# Altium PCB tester_board.PcbDoc (part 3 of 4)
Units mil, origin at the board's own origin, x right, y up, seen from the top; angles counter-clockwise.
Board outline 5000 x 4000 mil, 4 copper layers (Top Layer, Signal Layer 1, Signal Layer 2, Bottom Layer), stack 30.634 mil thick; 418 components, 246 nets, 1388 pads, 667 vias.
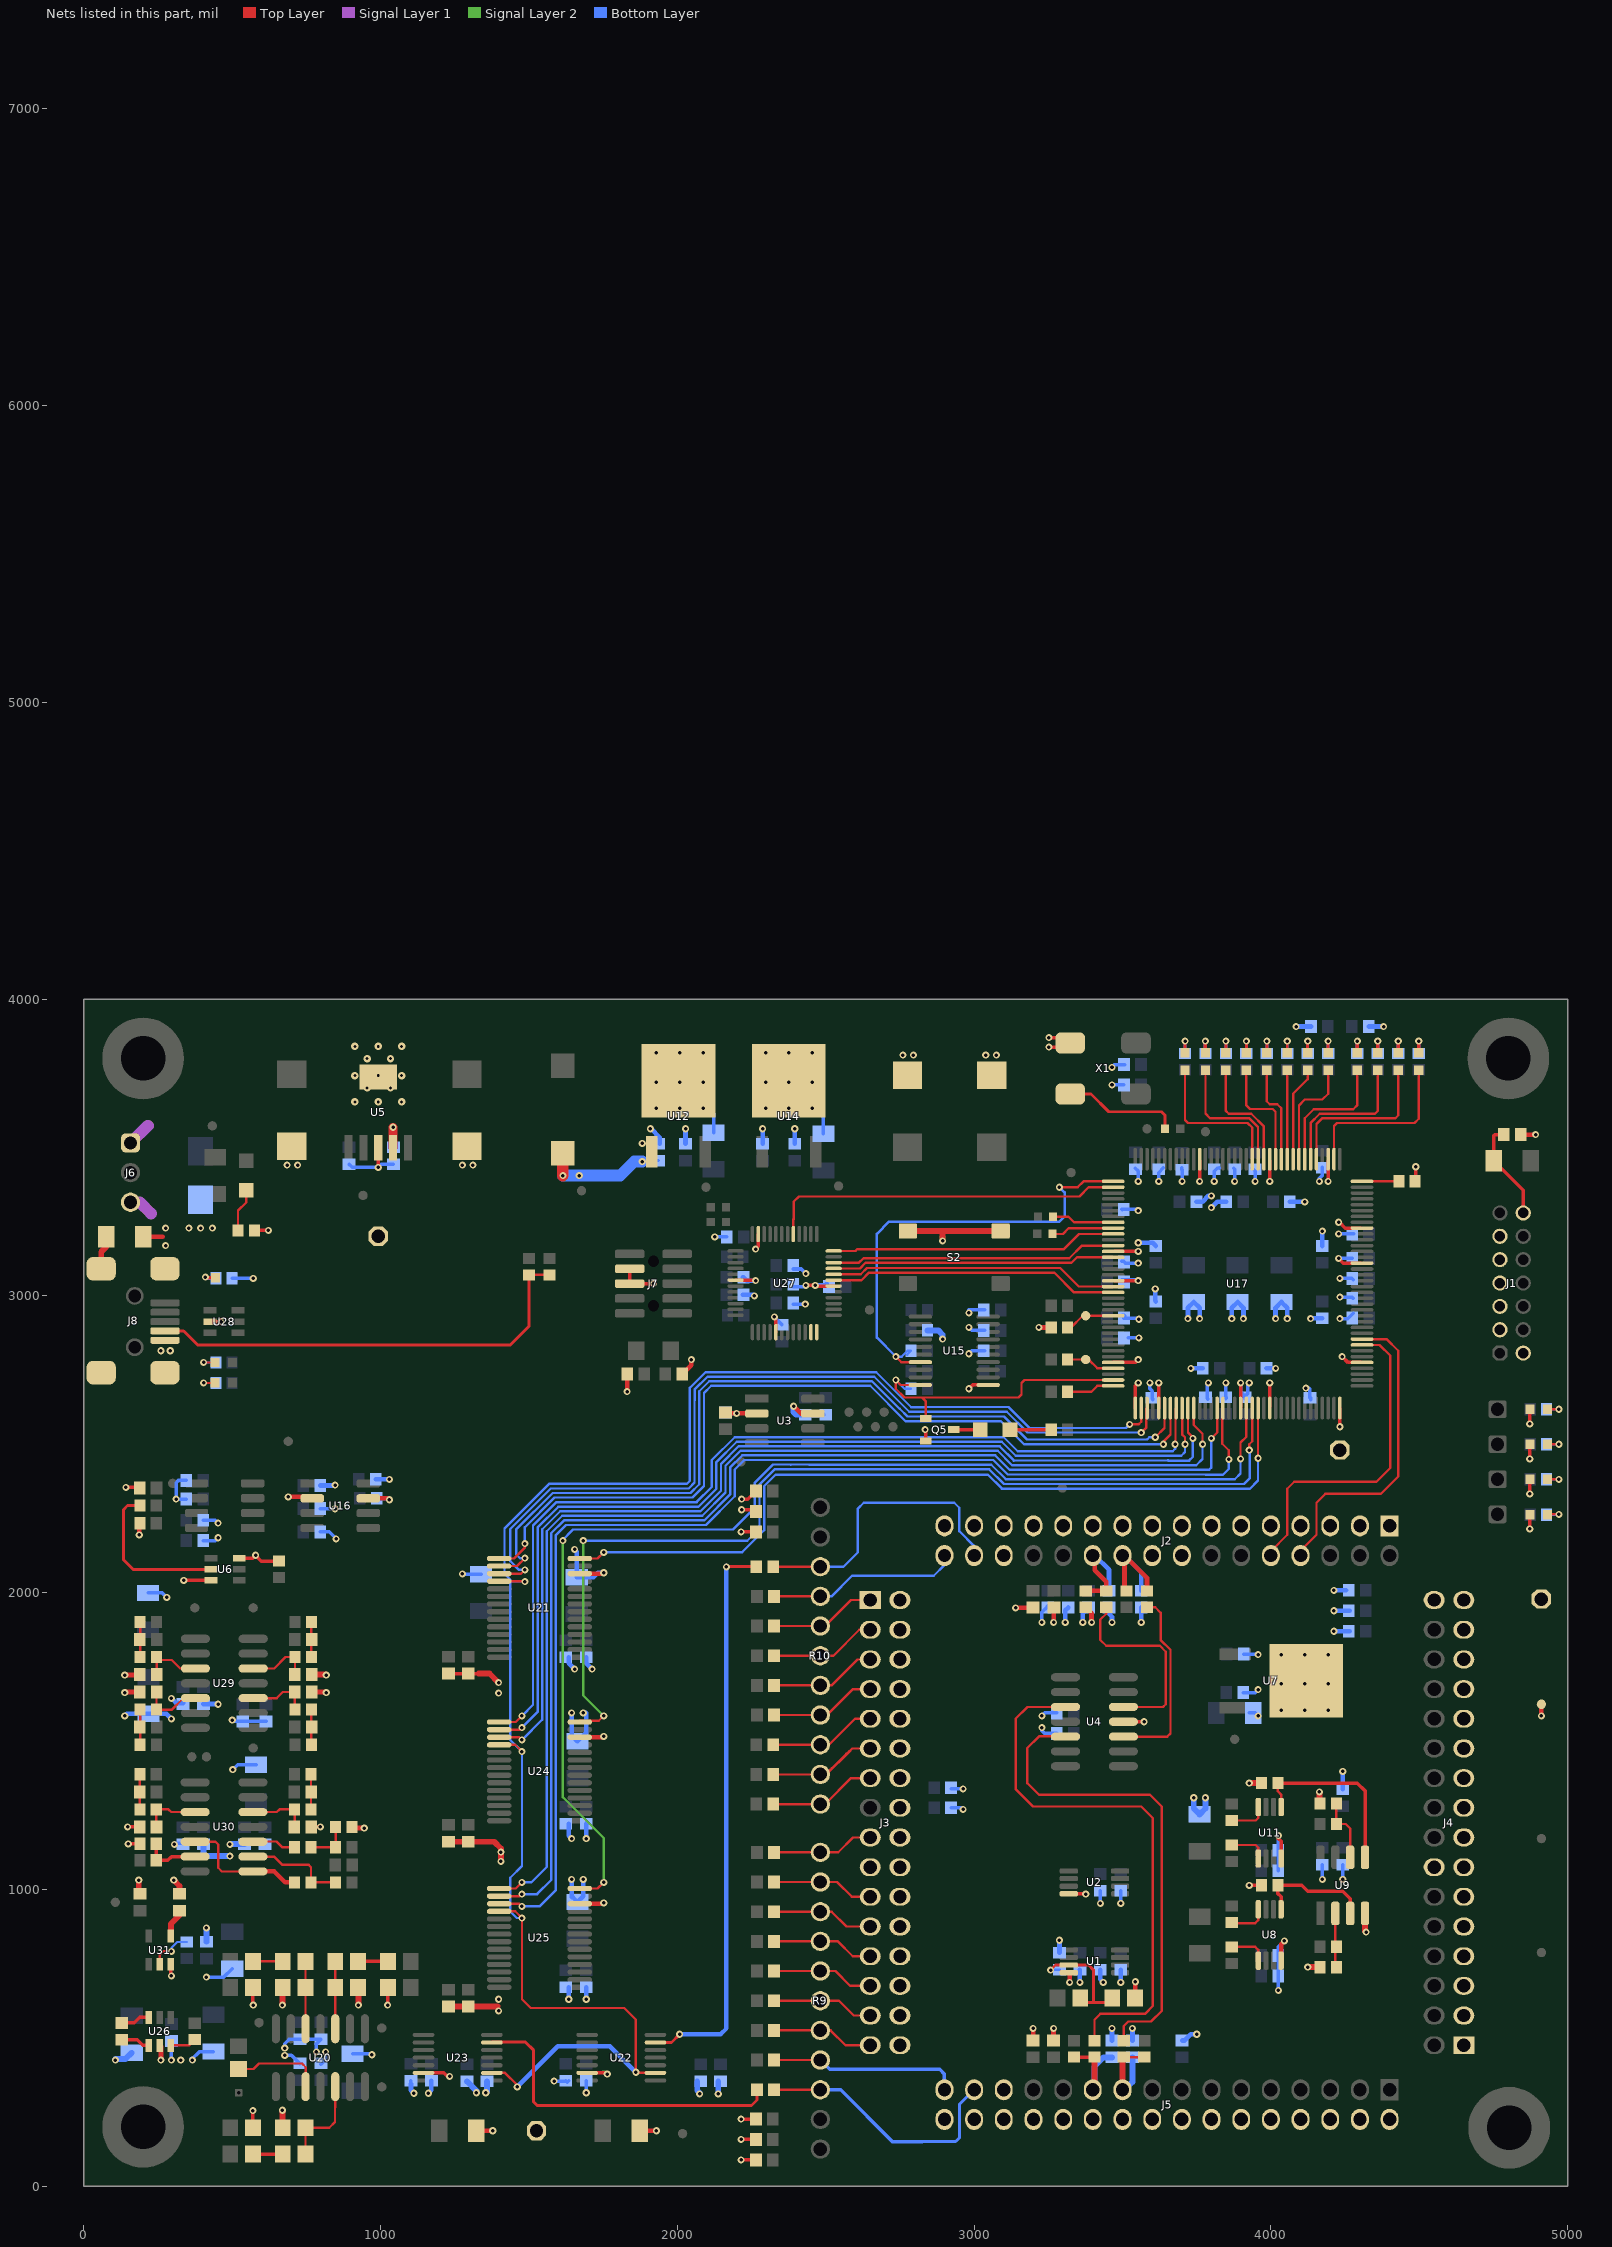
[diagram p5: the nets of this part, all layers, seen from the top]

## Via types
v1: diameter 24, hole 11.81, Top Layer to Bottom Layer, tented both sides, 654 vias
v2: diameter 25, hole 10, Top Layer to Bottom Layer, tented both sides, 13 vias

## Nets (pads, with @x,y where several pads share a name; then routed paths per layer and width w, separated by ;. In a path a pad name is that pad's centre, name@x,y a point inside that pad or via, vN(x,y) a via of type N, cw(c..) or ccw(c..) an arc to the next point about the centre after c; other vN are vias at no path point) (continued)
GND: C1.2 C2.2 C3.2 C4.1 C5.2 C6.2 C7.2 C8.2 C9.1 C10.1 C11.2 C12.1 C13.2 C14.1 C15.1 C16.1 C17.1 C18.1 C19.2 C20.2 C21.1 C22.2 C23.1 C33.1 C34.1 C35.1 C36.1 C37.1 C38.1 C39.2 C49.1 C50.1 C51.1 C52.1 C53.1 C54.1 C55.1 C56.1 C57.2 C58.1 C59.2 C60.2 C61.2 C62.1 C63.1 C64.2 C65.1 C66.2 C67.2 C68.2 C70.2 C71.1 C72.2 C73.1 C74.1 C75.1 C76.1 C77.1 C78.1 C79.2 C80.2 C81.1 C82.2 C83.1 C84.1 C85.1 C86.2 C87.2 C88.1 C89.1 C90.1 C91.1 C92.1 C93.1 C94.1 C95.1 C97.2 C98.1 C99.1 C100.2 C101.1 C102.1 C103.2 C104.1 C105.1 C106.2 C107.1 C108.1 C109.2 C110.1 C111.1 C112.2 C113.1 C114.1 C115.2 C116.2 C117.1 C118.2 C119.1 C120.1 C121.1 C122.1 C123.2 C124.1 C125.1 C126.1 C127.1 C128.1 C129.1 C130.2 C131.2 C132.2 C133.2 C134.2 C135.1 C136.1 C137.1 C138.1 C139.1 C140.2 C141.1 C142.1 C143.1 C144.2 C145.1 C146.1 C147.2 C148.1 C149.1 C150.1 C151.1 C152.1 C153.1 C154.1 C155.2 C158.2 C159.2 C160.1 C161.2 C162.1 C163.2 C164.2 C165.2 C166.2 C167.2 C168.2 C169.2 C172.2 C173.2 C174.2 C175.1 C176.1 C179.2 C180.2 C184.1 C185.1 C186.2 C187.2 C188.2 C189.1 C190.2 C191.2 C192.1 C193.1 C194.1 C195.1 C196.1 C197.1 C198.1 C199.1 C200.1 C201.1 C202.1 C203.1 C204.2 D1.C D2.C D3.C D4.C D6.A J1.3 J1.5 J1.7 J1.9 J1.11 J2.1 J2.3 J2.5 J2.7 J2.9 J2.11 J2.13 J2.15 J2.16 J2.17 J2.18 J2.19 J2.21 J2.23 J2.25 J2.27 J2.28 J2.29 J2.31 J3.2 J3.4 J3.6 J3.8 J3.10 J3.12 J3.14 J3.16 J3.18 J3.19 J3.20 J3.22 J3.24 J3.26 J3.28 J3.30 J3.32 J4.1 J4.3 J4.5 J4.7 J4.9 J4.11 J4.13 J4.14 J4.15 J4.17 J4.19 J4.21 J4.23 J4.25 J4.27 J4.29 J4.31 J4.32 J5.2 J5.4 J5.6 J5.8 J5.10 J5.12 J5.14 J5.16 J5.18 J5.20 J5.22 J5.24 J5.26 J5.27 J5.28 J5.30 J5.32 J6.1 J6.3 J7.3 J7.5 J8.5 Q5.2 R6.1 R7.1 R20.1 R25.1 R26.1 R30.1 R32.1 R34.1 R36.2 R39.1 R54.1 R56.1 R58.1 R60.1 R70.1 R75.2 R92.1 R95.1 R97.1 R99.1 R101.2 R106.1 S2.3 S2.4 TP21.1 TPG1.1 TPG2.1 TPG3.1 TPG4.1 U1.4 U2.4 U3.2 U3.7 U4.11 U5.3 U5.6 U6.3 U6.6 U7.2 U8.4 U9.4 U11.4 U12.2 U14.2 U15.11 U16.2 U16.7 U17.3 U17.13 U17.25 U17.49 U17.54 U17.68 U17.73 U17.77 U17.91 U17.96 U17.108 U17.113 U17.130 U17.136 U21.12 U22.13 U23.13 U24.12 U25.12 U26.5 U27.5 U27.18 U27.35 U27.42 U28.2 U31.3 X1.2 | length 15392.9
  Top Layer w11.81: v1(141.73,2354.33) 186.02,2354.33 C88.1@187.99,2352.36 ; v1(147.64,1210.63) C179.2@187.99,1210.63 ; v1(149.61,1153.54) R101.2@188.98,1153.54 ; U31.3@293.31,748.03 293.31,710.63 v1(295.28,708.66) ; J8.5@303.16,2850.38 J8.5@307.09,2846.46 ; v1(336.61,2041.34) U6.6@429.13,2041.34 ; U28.2@425.2,2913.39 v1(462.6,2913.39) ; U6.3@523.62,2116.14 568.9,2116.14 v1(578.74,2125.98) 598.43,2106.3 R106.1@657.48,2106.3 ; R95.1@569.88,196.85 v1(569.88,254.92) v1@570.87,255.91 ; R97.1@569.88,669.29 569.88,611.22 v1(570.87,610.24) ; R20.1@574.8,3220.47 v1(622.05,3220.47) ; C180.2@766.73,1210.63 v1(797.24,1210.63) ; R92.1@903.54,1200.79 R92.1@903.54,1210.63 ; v1(992.13,3433.07) U5.3@992.13,3499.02 ; v1(1023.62,610.24) 1024.61,611.22 R99.1@1024.61,669.29 ; U23.13@1144.69,381.89 1212.6,381.89 1224.41,370.08 v1(1232.28,370.08) ; C193.1@1228.35,1727.36 C192.1@1295.28,1727.36 1330.71,1727.36 ; U24.12@1669.29,1512.8 U24.12@1671.26,1512.8 ; U21.12@1669.29,2063.98 U21.12@1671.26,2063.98 ; U22.13@1695.87,381.89 1759.84,381.89 v1(1763.78,377.95) ; v1@1749.02,951.77 v1(1751.97,954.72) ; J7.3@1839.29,3091.34 J7.5@1839.29,3041.34 v1(1919.29,3041.34) ; U27.42@2196.06,3052.9 2260.45,3052.9 2262.17,3051.18 v1(2263.78,3051.18) ; v1(2214.57,88.58) C14.1@2264.76,88.58 ; v1(2214.57,157.48) C17.1@2264.76,157.48 ; v1(2214.57,226.38) C13.2@2264.76,226.38 ; v1(2214.57,2204.72) C19.2@2264.76,2204.72 ; v1(2216.54,2279.53) 2258.86,2279.53 C16.1@2264.76,2273.62 ; v1(2216.54,2314.96) 2237.2,2314.96 C18.1@2264.76,2342.52 ; v1(2263.78,3157.48) 2272.83,3166.54 U27.35@2272.83,3208.42 ; v1(2326.77,2929.13) 2331.89,2924.02 U27.5@2331.89,2877.71 ; v1(2433.07,3035.43) v1(2464.57,3035.43) 2466.78,3033.22 U27.18@2526.77,3033.22 ; v1(2834.65,2549.21) 2836.61,2547.24 Q5.2@2836.61,2511.81 ; v1(2982.28,2687.01) 2995.08,2699.8 U15.11@3047.24,2699.8 ; v1(3251.97,3838.58) 3310.04,3838.58 X1.2@3323.82,3852.36 3306.1,3870.08 v1(3251.97,3870.08) ; U2.4@3318.9,985.24 3375,985.24 v1(3375.98,984.25) ; U17.68@3468.5,2775.59 3543.31,2775.59 v1(3553.15,2785.43) ; U17.54@3473.43,3051.18 v1(3553.15,3051.18) ; U17.49@3473.43,3149.61 v1(3553.15,3149.61) ; U4.11@3502.95,1564.96 v1(3572.83,1564.96) ; U17.73@3543.31,2622.05 3543.31,2696.85 v1(3553.15,2706.69) ; U17.77@3622.05,2622.05 v1(3622.05,2706.69) ; v1(3759.84,3385.83) U17.25@3759.84,3455.71 ; U17.91@3897.64,2626.97 v1(3897.64,2706.69) ; v1(3927.17,1013.78) R25.1@3968.5,1013.78 ; U17.96@3996.06,2626.97 v1(3996.06,2706.69) ; v1(3996.06,3385.83) U17.13@3996.06,3455.71 ; v1(4025.59,1181.1) 4025.59,1171.26 4034.45,1162.4 U11.4@4034.45,1104.33 ; v1(4192.91,3385.83) U17.3@4192.91,3455.71 ; v1(4228.35,3125.98) 4244.09,3110.24 U17.130@4302.17,3110.24 ; v1(4228.35,3248.03) 4231.1,3248.03 4250.79,3228.35 U17.136@4302.17,3228.35 ; v1(4232.28,2559.06) U17.108@4232.28,2622.05 ; v1(4240.16,2795.28) 4259.84,2775.59 U17.113@4302.17,2775.59 ; v1(4488.19,3435.04) 4488.19,3394.69 R34.1@4490.35,3392.52 ; v1(4872.05,2214.57) 4872.05,2261.61 D4.C@4872.82,2262.39 ; v1(4872.05,2332.68) 4872.05,2381.11 D3.C@4872.82,2381.89 ; v1(4872.04,2450.78) 4872.04,2499.21 D2.C@4872.82,2500 ; v1(4872.05,2568.9) 4872.05,2617.33 D1.C@4872.82,2618.11
  Top Layer w15: v1(187.01,2194.88) R54.1@187.01,2221.05 ; C22.2@2162.2,2602.76 2163.19,2603.74 v1(2199.7,2603.74) U3.2@2267.72,2603.74 ; v1(3321.56,687.01) 3321.56,718.6 U1.4@3322.44,719.49
  Top Layer w15.75: v1(137.8,1663.39) 139.37,1664.96 C173.2@188.98,1664.96 ; v1(137.8,1722.44) 187.4,1722.44 C168.2@188.98,1724.02 ; R75.2@199.8,3198.82 265.75,3198.82 ; U26.5@255.91,474.41 259.84,470.47 v1(259.84,425.2) ; v1(688.98,2322.83) 764.8,2322.83 U16.2@769.68,2317.95 ; C172.2@767.72,1664.96 815.35,1664.96 v1(816.93,1663.39) ; R92.1@903.54,1210.63 907.48,1206.69 v1(944.88,1206.69) ; U16.7@958.66,2317.95 1024.57,2317.95 v1(1029.53,2312.99) ; C109.2@1321.85,187.01 v1(1377.95,187.01) ; U25.12@1671.26,951.77 v1@1749.02,951.77 ; U24.12@1671.26,1512.8 1749.02,1512.8 v1(1751.97,1515.75) ; U21.12@1671.26,2063.98 1749.02,2063.98 v1(1751.97,2066.93) ; v1(1830.71,2677.17) 1830.71,2735.24 C158.2@1831.69,2736.22 ; C112.2@1873.03,187.01 v1(1929.13,187.01) ; C159.2@2016.73,2745.08 C159.2@2016.73,2736.22 2047.24,2766.73 v1(2047.24,2785.43) ; v1(2391.73,2627.95) 2415.94,2603.74 U3.7@2456.69,2603.74 ; v1(3139.76,1948.82) 3197.83,1948.82 C34.1@3198.82,1949.8 ; C37.1@3198.82,491.14 v1(3198.82,531.5) ; v1(3218.5,2893.7) R36.2@3259.84,2893.7 ; C35.1@3267.72,491.14 v1(3267.72,531.5) ; v1(3267.72,1899.61) 3268.7,1900.59 C38.1@3268.7,1949.8 ; R7.1@3375.98,1950.79 3395.67,1931.1 v1(3395.67,1899.61) ; R6.1@3542.32,629.92 3543.31,630.91 v1(3543.31,688.98) ; U8.4@4034.45,759.84 4034.45,815.95 v1(4045.28,826.77) ; C1.2@4841.54,3543.31 v1(4891.73,3543.31) ; v1(4911.42,1584.65) TP21.1@4911.42,1624.02
  Top Layer w19.68: v1(185.04,1031.5) 185.04,989.17 C154.1@188.98,985.24 ; v1(303.15,1031.5) 322.83,1011.81 C201.1@322.83,985.24 ; 669.29,225.39 v1(669.29,255.91) ; v1(669.29,610.24) R58.1@669.29,650.59 ; C169.2@767.72,1724.02 815.35,1724.02 v1(816.93,1722.44) ; v1(925.2,610.24) 925.2,660.43 R60.1@934.06,669.29 ; C196.1@1228.35,605.32 C197.1@1295.28,605.32 1392.72,605.32 1393.7,606.3 ; C194.1@1228.35,1160.43 C195.1@1295.28,1160.43 1382.87,1160.43 1405.51,1137.8 v1(1405.51,1125.98) v1(1405.51,1094.49) ; 1330.71,1727.36 1367.13,1727.36 v1(1397.64,1696.85) ; S2.4@2776.57,3218.5 2893.7,3218.5 ; v1(2893.7,3185.04) 2893.7,3218.5 ; S2.3@3089.57,3218.5 2893.7,3218.5 ; v1(3927.17,1358.27) R30.1@3968.5,1358.27 ; v1(4124.02,738.19) R26.1@4165.35,738.19 ; v1(4163.39,1328.74) 4163.39,1291.34 R32.1@4165.35,1289.37 ; U9.4@4317.13,919.29 4317.13,860.04 v1(4320.87,856.3)
  Signal Layer 1 w39.37: J6.3@157.48,3315.35 188.58,3315.35 226.38,3277.56 ; J6.1@157.48,3515.35 214.96,3572.83 216.54,3572.83
  Signal Layer 2 w11.81: 1748.03,383.86 1757.87,383.86 v1(1763.78,377.95)
  Signal Layer 2 w19.68: v1(2893.7,3185.04) 2893.7,3198.82
  Bottom Layer w11.81: C78.1@216.54,1999.02 264.76,1999.02 v1(279.53,1984.25) ; v1(295.28,425.2) C152.1@295.28,489.17 ; v1(305.12,1151.57) 309.45,1155.9 C185.1@334.65,1155.9 ; C58.1@345.47,2314.96 v1(311.02,2314.96) 311.02,2370.08 318.9,2377.95 C77.1@345.47,2377.95 ; v1@364.17,427.17 390.75,453.74 C151.1@437.01,453.74 ; C95.1@402.56,2175.2 442.91,2175.2 v1(452.76,2185.04) ; C94.1@402.56,2244.09 442.91,2244.09 v1(452.76,2234.25) ; v1(413.39,704.72) 471.46,704.72 C153.1@500,733.27 ; R70.1@500,3059.06 v1(570.87,3059.06) ; v1(501.97,1403.54) 518.7,1420.28 C186.2@580.71,1420.28 ; v1@503.94,1570.87 508.86,1565.94 C204.2@535.43,1565.94 C79.2@614.17,1565.94 ; C187.2@541.34,1155.1 C188.2@610.24,1155.1 ; v1(677.17,440.94) 699.8,440.94 C99.1@728.35,412.4 ; v1(677.17,465.55) 677.17,480.32 691.93,495.08 C191.2@728.35,495.08 C190.2@799.21,495.08 783.46,479.33 v1(783.46,452.76) ; C90.1@796.26,2204.72 826.77,2204.72 v1(850.39,2181.1) ; C92.1@796.26,2283.46 845.84,2283.46 v1(846.46,2282.85) ; C98.1@799.21,410.43 814.96,426.18 v1(814.96,452.76) ; C59.2@893.7,3443.9 904.53,3433.07 v1(992.13,3433.07) 1002.95,3443.9 C61.2@1043.31,3443.9 ; C97.2@905.51,445.87 967.52,445.87 v1(970.47,442.91) ; C110.1@1102.36,344.49 C110.1@1102.36,355.32 ; v1(1275.59,2062.99) 1279.53,2062.99 1280.51,2062.01 C189.1@1338.58,2062.01 ; v1(1584.65,354.33) 1623.03,354.33 C113.1@1624.02,355.32 ; C113.1@1628.94,350.39 C113.1@1633.86,355.32 ; v1(1692.91,314.96) C114.1@1692.91,355.32 ; C71.1@2122.05,3550.2 2122.05,3614.17 ; v1(2125.98,3198.82) C165.2@2166.34,3198.82 ; v1(2326.77,2929.13) C161.2@2352.36,2903.54 ; C160.1@2390.75,2972.44 v1(2431.1,2972.44) ; C166.2@2390.75,3031.5 2429.13,3031.5 v1(2433.07,3035.43) ; C164.2@2390.75,3090.55 2417.32,3090.55 v1(2433.07,3074.8) ; C81.1@2492.13,3546.26 2492.13,3610.24 ; C33.1@2922.24,1275 2957.28,1275 v1(2962.6,1269.68) ; C36.1@2922.24,1338.58 v1(2962.6,1338.58) ; v1(2982.28,2805.12) 2992.13,2814.96 C84.1@3032.48,2814.96 C84.1@3035.82,2814.96 ; v1(2982.28,2893.7) 2992.13,2883.86 C85.1@3032.48,2883.86 C85.1@3035.82,2883.86 ; v1(2982.28,2942.91) 2982.28,2952.76 C83.1@3032.48,2952.76 C83.1@3035.82,2952.76 ; v1(3228.35,1545.28) 3228.35,1535.43 3238.19,1525.59 C56.1@3278.54,1525.59 ; v1(3228.35,1584.65) 3238.19,1594.49 C55.1@3278.54,1594.49 ; v1(3228.35,1899.61) 3228.35,1933.46 C12.1@3248.03,1953.15 ; v1(3425.2,952.76) C21.1@3425.2,995.08 ; v1(3464.57,3710.63) C115.2@3504.92,3710.63 ; v1(3464.57,3769.69) 3474.41,3779.53 C116.2@3504.92,3779.53 C116.2@3507.46,3779.53 ; v1(3494.09,952.76) C20.2@3494.09,995.08 ; C128.1@3497.97,3053.84 3550.49,3053.84 v1(3553.15,3051.18) ; C135.1@3497.97,3116.34 3503.84,3116.34 3509.94,3110.24 v1(3553.15,3110.24) ; C146.1@3497.97,3291.34 C146.1@3499.23,3290.08 ; C146.1@3500.5,3291.34 C146.1@3503.84,3291.34 3549.21,3291.34 v1(3553.15,3287.4) ; C143.1@3504.92,2925.2 3551.18,2925.2 v1(3555.12,2921.26) ; C149.1@3518.54,2858.27 v1(3555.12,2858.27) ; C127.1@3543.31,3430.51 3553.15,3420.67 v1(3553.15,3385.83) ; v1(3592.52,2706.69) 3592.52,2686.61 3599.7,2679.43 C142.1@3599.7,2656.99 C142.1@3599.7,2653.64 ; C142.1@3602.36,2649.65 C142.1@3602.36,2653.64 ; v1(3622.05,3385.83) 3622.05,3415.41 C120.1@3637.8,3431.16 ; C137.1@3700.3,3431.16 C137.1@3700.3,3425.3 3700.79,3424.8 v1(3700.79,3385.83) ; C148.1@3787.8,2651.52 3787.8,2652.86 3785.14,2655.51 3785.14,2702.46 v1(3789.37,2706.69) ; v1(3809.06,3385.83) 3809.06,3419.68 C129.1@3818.9,3429.52 ; C129.1@3825.3,3429.52 C129.1@3825.3,3431.16 ; C138.1@3847.64,2655.51 3847.64,2654.17 3850.3,2656.83 3848.43,2658.7 v1(3848.43,2706.69) ; C134.2@3875.3,3429.82 3877.95,3427.17 C134.2@3877.95,3426.18 v1(3877.95,3385.83) ; v1(3897.64,2706.69) 3897.64,2676.67 C145.1@3912.8,2661.52 ; C66.2@3906.5,1663.39 3946.85,1663.39 v1(3956.69,1673.23) ; C64.2@3908.46,1792.91 3955.12,1792.91 v1(3956.69,1791.34) ; C145.1@3910.14,2658.86 C145.1@3912.8,2661.52 ; C145.1@3912.8,2651.52 C145.1@3912.8,2661.52 ; C65.1@3927.17,1594.49 3946.85,1594.49 v1(3956.69,1584.65) ; v1(3927.17,2706.69) 3921.26,2700.79 3921.26,2669.98 C145.1@3912.8,2661.52 ; C150.1@3937.01,3429.52 3946.85,3419.68 v1(3946.85,3385.83) ; C74.1@4024.61,1062.99 4025.59,1063.98 v1(4025.59,1181.1) ; v1(4025.59,659.45) 4024.61,660.43 C62.1@4024.61,708.66 C63.1@4024.61,777.56 4024.61,806.1 v1(4045.28,826.77) ; v1(4118.1,2688.97) v1@4128.54,2688.97 ; v1@4128.54,2688.98 4131.2,2686.32 C125.1@4131.2,2656.99 ; C125.1@4133.86,2649.65 C125.1@4133.86,2656.99 ; v1(4163.39,3385.83) 4163.39,3395.67 4173.23,3405.51 C119.1@4173.23,3432.09 C119.1@4173.23,3433.03 ; v1(4173.23,1033.46) C76.1@4173.23,1083.66 ; v1(4228.35,3125.98) C126.1@4274.61,3125.98 ; v1(4228.35,3208.66) C141.1@4273.62,3208.66 C141.1@4279.49,3208.66 ; v1(4232.28,2923.23) 4259.51,2923.23 C124.1@4277.62,2941.34 ; v1(4232.28,2996.06) 4272.89,2996.06 C121.1@4277.62,2991.34 ; v1(4232.28,3059.06) 4272.4,3059.06 C136.1@4277.62,3053.84 ; v1(4242.13,1033.46) C75.1@4242.13,1083.66
  Bottom Layer w15: C23.1@2162.2,2607.28 2165.75,2603.74 v1(2199.7,2603.74)
  Bottom Layer w15.75: v1(137.8,1584.65) 144.69,1591.54 C174.2@217.52,1591.54 278.54,1591.54 v1(295.28,1574.8) ; v1(295.28,1643.7) 310.63,1628.34 C176.1@334.65,1628.34 ; C175.1@403.54,1625 451.77,1625 v1(452.76,1624.02) ; C89.1@796.26,2361.22 845.47,2361.22 v1(846.46,2362.2) ; C91.1@983.27,2381.89 v1(1029.53,2381.89) ; C93.1@983.86,2317.95 C93.1@987.2,2317.95 1024.57,2317.95 v1(1029.53,2312.99) ; C110.1@1102.36,344.49 1102.36,322.83 v1(1112.2,312.99) ; v1(1161.42,312.99) 1171.26,322.83 C111.1@1171.26,355.32 ; v1(1633.86,629.92) C107.1@1633.86,670.28 ; C105.1@1633.86,1221.46 1633.86,1181.1 v1(1643.7,1171.26) ; C101.1@1633.86,1782.48 1633.86,1761.81 v1(1653.54,1742.13) ; v1(1643.7,1033.46) 1643.7,974.41 1646.65,974.41 C106.2@1663.39,957.68 1683.07,977.36 v1(1683.07,1033.46) ; v1(1643.7,1594.49) 1643.7,1515.75 1646.65,1515.75 C103.2@1663.39,1499.02 1692.91,1528.54 1692.91,1594.49 v1(1683.07,1594.49) ; v1(1653.54,2145.67) 1661.26,2137.95 C100.2@1661.26,2052.01 1717.36,2052.01 1732.28,2066.93 v1(1751.97,2066.93) ; v1(1692.91,629.92) C108.1@1692.91,670.28 ; v1(1692.91,1171.26) C104.1@1692.91,1221.46 ; C102.1@1692.91,1782.48 1692.91,1761.81 v1(1712.6,1742.13) ; v1(1909.45,3562.99) 1911.42,3562.99 1940.94,3533.46 C70.2@1940.94,3512.8 ; C72.2@2027.56,3512.8 v1(2027.56,3562.99) ; C163.2@2220.09,3003.69 C163.2@2222.64,3003.69 2256.14,3003.69 v1(2259.84,2999.99) ; C167.2@2220.09,3062.75 C167.2@2222.64,3062.75 2234.2,3051.18 v1(2263.78,3051.18) ; C80.2@2287.4,3512.8 v1(2287.4,3562.99) ; C82.2@2395.67,3512.8 v1(2395.67,3562.99) ; v1(2464.57,3035.43) 2497.62,3035.43 C162.1@2503.53,3041.34 ; C12.1@3247.83,1953.15 C12.1@3248.03,1953.15 ; C2.2@3287.4,786.42 v1(3287.4,828.74) ; v1(3307.09,1899.61) 3307.09,1939.96 C10.1@3316.93,1949.8 ; v1(3356.3,687.01) C5.2@3356.3,729.33 ; v1(3366.14,1899.61) 3366.14,1930.12 C11.2@3385.83,1949.8 ; C4.1@3425.2,729.33 3425.2,696.85 v1(3435.04,687.01) ; C6.2@3454.72,1949.8 3454.72,1929.13 3464.57,1919.29 v1(3464.57,1899.61) ; C53.1@3464.57,491.14 v1(3464.57,531.5) ; v1(3494.09,687.01) C3.2@3494.09,729.33 ; C143.1@3499.61,2933.07 C143.1@3504.92,2933.07 ; C54.1@3533.46,491.14 v1(3533.46,531.5) ; v1(3553.15,3179.13) 3601.38,3179.13 C130.2@3612.2,3168.31 ; v1(3562.99,1899.61) C7.2@3562.99,1949.8 ; v1(3610.24,3023.62) 3610.24,2983.27 C144.2@3612.2,2981.3 ; C15.1@3700.79,491.14 3709.65,491.14 3730.31,511.81 v1(3750,511.81) ; v1(3720.47,2923.23) 3720.47,2959.65 C117.1@3740.16,2979.33 3759.84,2959.65 v1(3759.84,2923.23) ; v1(3730.31,2755.91) C131.2@3770.67,2755.91 ; C118.2@3749.02,3316.93 3769.69,3316.93 3789.37,3336.61 v1(3799.21,3336.61) ; v1(3799.21,3297.24) 3818.9,3316.93 C132.2@3849.41,3316.93 ; v1(3868.11,2923.23) 3868.11,2959.65 C139.1@3887.8,2979.33 3907.48,2959.65 v1(3907.48,2923.23) ; C123.2@3985.24,2755.91 v1(4015.75,2755.91) ; v1(4015.75,2923.23) 4015.75,2959.65 C122.1@4035.43,2979.33 4055.12,2959.65 v1(4055.12,2923.23) ; C140.2@4063.98,3316.93 v1(4114.17,3316.93) ; v1(4084.65,3907.48) C87.2@4134.84,3907.48 ; v1(4133.86,2923.23) 4134.84,2924.21 C133.2@4173.23,2924.21 ; C147.2@4173.23,3168.31 v1(4173.23,3218.5) ; v1(4212.6,1870.08) C49.1@4262.8,1870.08 C49.1@4266.14,1870.08 ; v1(4212.6,1938.98) C50.1@4262.8,1938.98 C50.1@4266.14,1938.98 ; v1(4212.6,2007.87) C51.1@4252.95,2007.87 ; C52.1@4242.13,1337.6 v1(4242.13,1397.64) ; C86.2@4329.72,3907.48 v1(4379.92,3907.48)
  Bottom Layer w19.68: v1(106.3,425.2) 106.3,429.13 140.75,429.13 C155.2@161.42,449.8 ; v1@364.17,427.17 v1(366.14,425.2) ; C184.1@403.54,1152.56 403.54,1122.05 413.39,1112.2 v1(492.13,1112.2) ; C200.1@413.39,823.82 v1(413.39,870.08) ; v1(492.12,1151.57) 493.11,1152.56 C187.2@541.34,1152.56 ; C198.1@1291.34,353.35 1322.83,321.85 v1(1322.83,314.96) ; v1(1354.33,314.96) 1358.27,318.9 C199.1@1358.27,353.35 ; C202.1@2066.93,353.35 2066.93,322.83 2074.8,314.96 v1(2074.8,311.02) ; v1(2137.8,311.02) C203.1@2137.8,353.35 ; v1(2391.73,2627.95) 2391.73,2608.27 2400.59,2599.41 C9.1@2431.1,2599.41 C8.2@2490.16,2599.41 ; R39.1@2842.52,2883.86 2878.94,2883.86 2893.7,2869.09 v1(2893.7,2854.33) ; v1(3740.16,1309.06) 3740.16,1272.64 C39.2@3759.84,1252.95 3779.53,1272.64 v1(3779.53,1309.06)
  other v1: 326.77,425.2 1397.64,590.55 1397.64,629.92 500,1570.87 4035.43,1604.33 4114.17,1604.33 4192.91,1604.33 1397.64,1661.42 4035.43,1692.91 4114.17,1692.91 4192.91,1692.91 4035.43,1791.34 4114.17,1791.34 4192.91,1791.34 259.84,2814.96 291.34,2814.96 275.59,3169.29 275.59,3228.35 354.33,3228.35 393.7,3228.35 433.07,3228.35 685.04,3440.94 720.47,3440.94 1275.59,3440.94 1311.02,3440.94 1929.13,3631.89 2007.87,3631.89 2086.61,3631.89 2297.24,3631.89 2375.98,3631.89 2454.72,3631.89 1929.13,3720.47 2007.87,3720.47 2086.61,3720.47 2297.24,3720.47 2375.98,3720.47 2454.72,3720.47 2759.84,3811.02 2795.28,3811.02 3039.37,3811.02 3074.8,3811.02 1929.13,3818.9 2007.87,3818.9 2086.61,3818.9 2297.24,3818.9 2375.98,3818.9 2454.72,3818.9
  other v2: 913.39,3653.54 992.13,3653.54 1070.87,3653.54 954.72,3700.79 1033.46,3700.79 913.39,3742.13 992.13,3742.13 1070.87,3742.13 954.72,3799.21 1033.46,3799.21 913.39,3840.55 992.13,3840.55 1070.87,3840.55
HALT: J1.14
HIGH_ADDR_1: U17.75 U21.17 | length 2952.3
  Top Layer w7.87: U21.17@1399.61,2063.98 1473.43,2063.98 v1(1486.22,2076.77) ; v1(3562.99,2539.37) 3580.33,2556.71 3580.33,2619.7 U17.75@3582.68,2622.05
  Bottom Layer w7.87: v1(1486.22,2076.77) 1466.54,2076.77 1437.01,2106.3 1437.01,2214.48 1573.67,2351.14 2038.24,2351.14 2058.05,2370.95 2058.05,2647.64 ; 2058.17,2647.64 2058.17,2684.33 2101.44,2727.6 2663.52,2727.6 2781.7,2609.41 3110.17,2609.41 3180.22,2539.37 v1(3562.99,2539.37)
HIGH_ADDR_2: U17.78 U21.16 | length 2955.3
  Top Layer w7.87: U21.16@1399.61,2089.57 1459.65,2089.57 v1(1486.22,2116.14) ; v1(3610.24,2523.62) 3641.73,2555.12 U17.78@3641.73,2622.05
  Bottom Layer w7.87: v1(1486.22,2116.14) 1470.23,2116.14 1456.69,2129.68 1456.69,2212.42 1580.04,2335.77 2044.61,2335.77 2073.92,2365.08 2073.92,2678.34 2107.81,2712.22 2656.09,2712.22 2749.12,2619.2 ; 2749.38,2619.46 2775.18,2593.67 2992.13,2593.67 ; 2992.13,2593.54 3100.39,2593.54 3178,2515.93 3582.68,2515.93 3590.37,2523.62 v1(3610.24,2523.62)
HIGH_ADDR_3: U17.79 U21.15 | length 2915.9
  Top Layer w7.87: U21.15@1399.61,2115.16 1449.56,2115.16 1486.22,2151.81 v1(1486.22,2165.35) ; v1(3637.98,2500.19) 3637.98,2509.71 3661.42,2533.15 U17.79@3661.42,2622.05
  Bottom Layer w7.87: v1(1486.22,2165.35) 1486.22,2220.21 1586.41,2320.39 2050.97,2320.39 2089.8,2359.21 2089.8,2672.47 2114.17,2696.85 2649.72,2696.85 2768.91,2577.67 3090.55,2577.67 3168.03,2500.19 v1(3637.98,2500.19)